# Altium PCB PCB1.PcbDoc (continued)
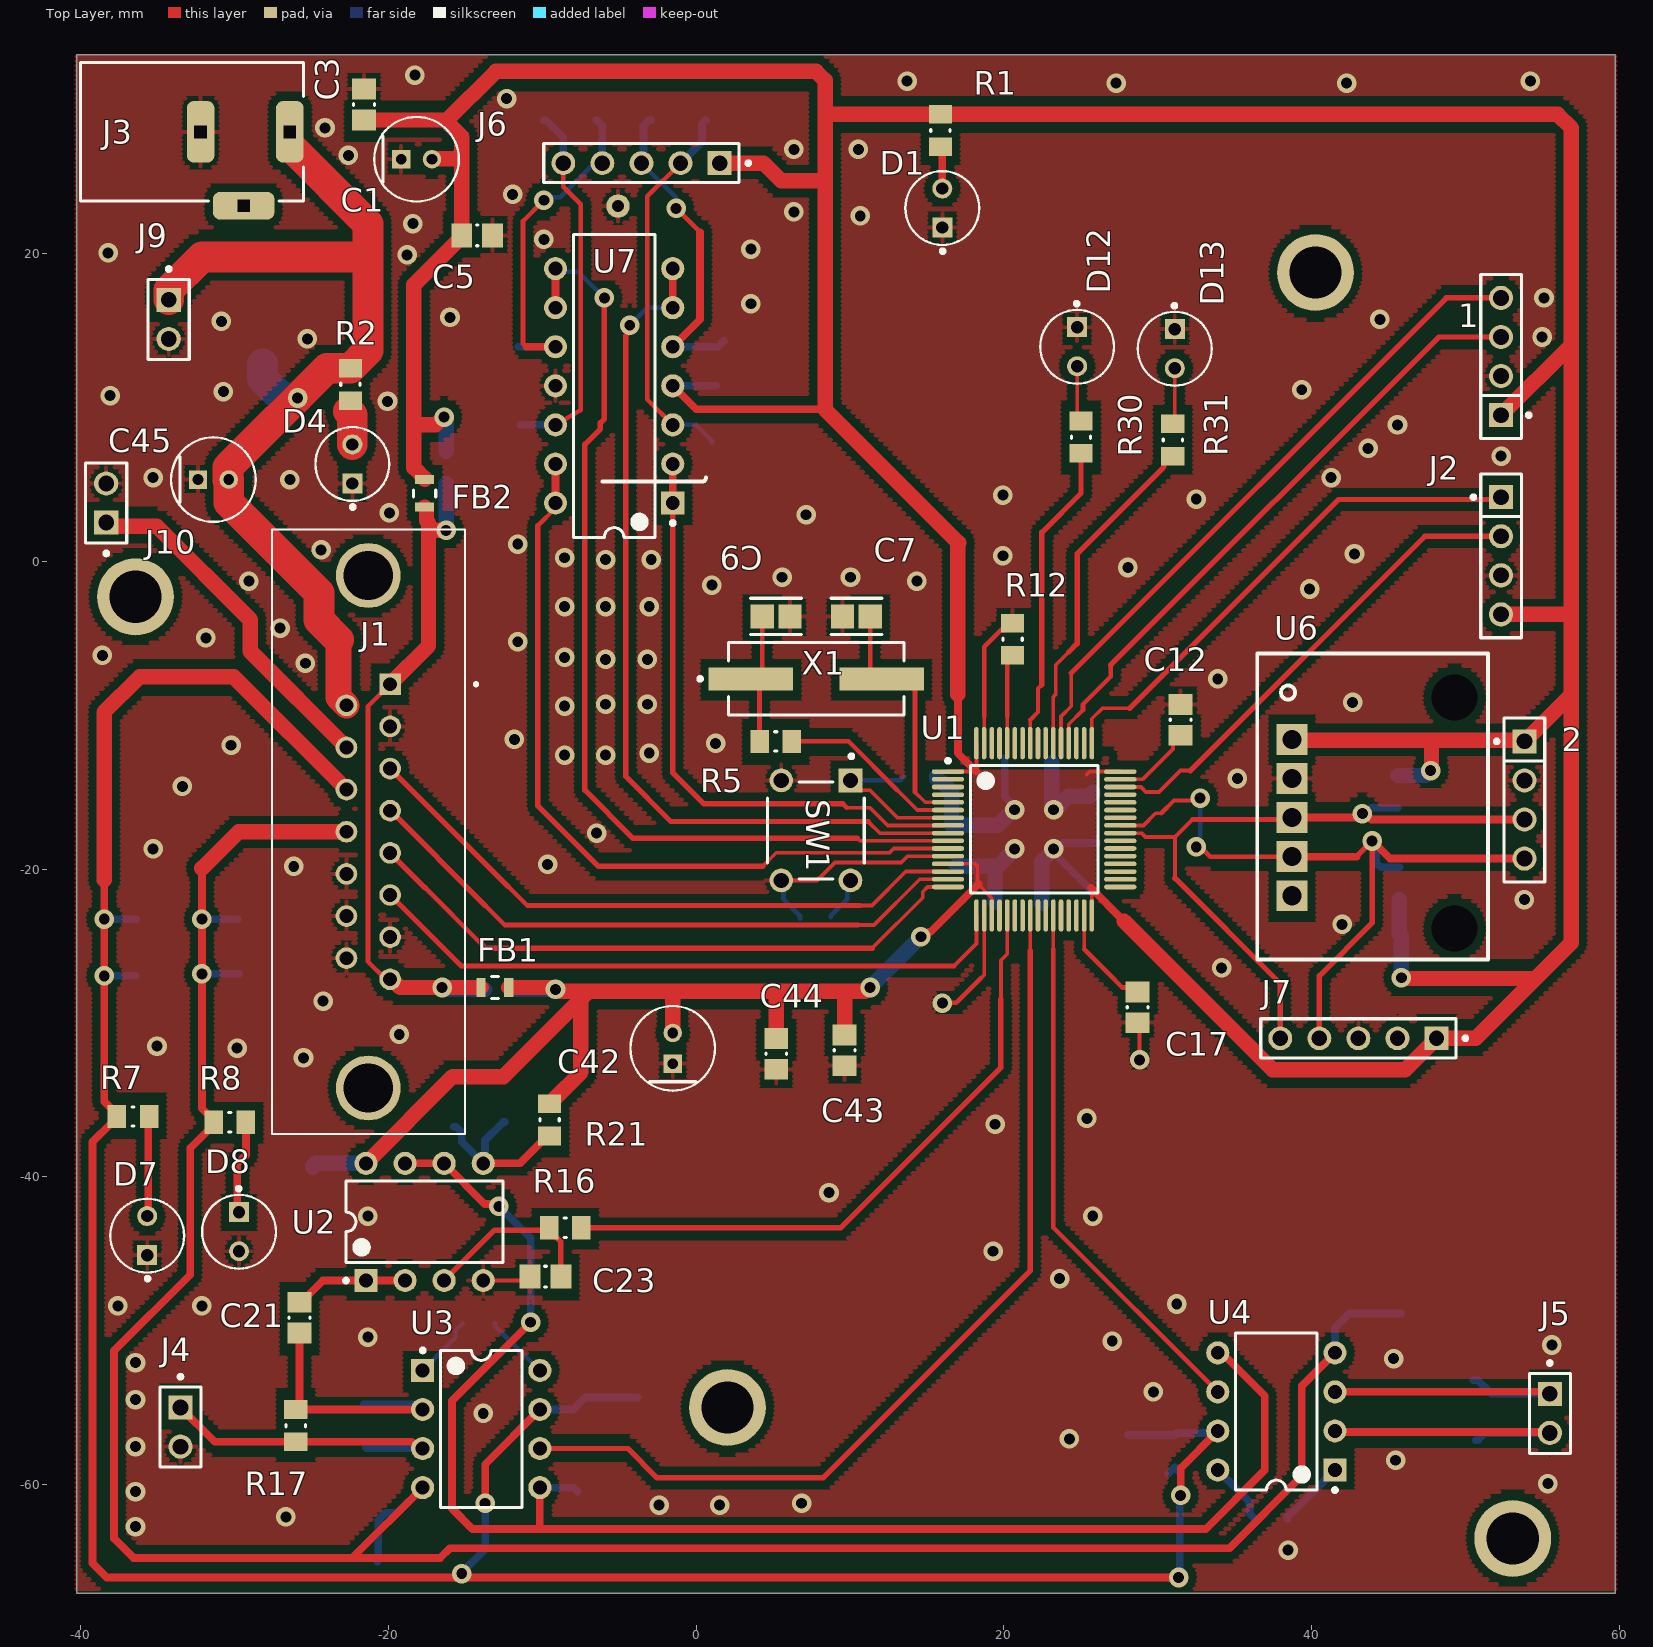
[diagram p0: Top Layer view]
## Footprints (in the part's own frame and the unit in brackets; to place one, negate y for a bottom-side part, rotate by r counter-clockwise, add the part's x,y. Pads: shape width x height; smd on the part's side, far side on the other; paste and mask are expansions set on the pad) (continued)
N0014A [mm] "DIP, 14-Leads, Body 19.7x6.6mm, Pitch 2.54mm"
  rect 1.5x1.5 hole 0.9: 1(-3.81,7.62)
  round 1.5 hole 0.9: 2(-3.81,5.08) 3(-3.81,2.54) 4(-3.81,0) 5(-3.81,-2.54) 6(-3.81,-5.08) 7(-3.81,-7.62) 8(3.81,-7.62) 9(3.81,-5.08) 10(3.81,-2.54) 11(3.81,0) 12(3.81,2.54) 13(3.81,5.08) 14(3.81,7.62)
  silkscreen extent -3.94,-9.85 2.65,9.85, body extent -3.95,-9.85 3.95,9.85, height 5.08
P0008A [mm] "DIP, 8-Leads, Body 10.15x6.6mm, Pitch 2.54mm"
  rect 1.5x1.5 hole 0.9: 1(-3.81,3.81)
  round 1.5 hole 0.9: 2(-3.81,1.27) 3(-3.81,-1.27) 4(-3.81,-3.81) 5(3.81,-3.81) 6(3.81,-1.27) 7(3.81,1.27) 8(3.81,3.81)
  silkscreen extent -3.93,-5.1 2.65,5.23, body extent -3.95,-5.07 3.95,5.07, height 5.08
PCBComponent_1 [mm]
  rect 2x2 hole 1.25: 1(2.714,-10.571) 2(5.254,-10.571) 3(7.794,-10.571) 4(10.334,-10.571) 5(12.874,-10.571)
  round 0 hole 3: 11(0,0) 11(15,0)
  silkscreen extent -2.87,-12.83 17.02,2.17
STM-LQFP64_M [mm] "Thin QFP, 64-Leads, Body 10x10mm, Pitch 0.5mm, IPC Low Density"
  oval 2.1x0.3 smd: 1(-5.6,3.75) 2(-5.6,3.25) 3(-5.6,2.75) 4(-5.6,2.25) 5(-5.6,1.75) 6(-5.6,1.25) 7(-5.6,0.75) 8(-5.6,0.25) 9(-5.6,-0.25) 10(-5.6,-0.75) 11(-5.6,-1.25) 12(-5.6,-1.75) 13(-5.6,-2.25) 14(-5.6,-2.75) 15(-5.6,-3.25) 16(-5.6,-3.75) 33(5.6,-3.75) 34(5.6,-3.25) 35(5.6,-2.75) 36(5.6,-2.25) 37(5.6,-1.75) 38(5.6,-1.25) 39(5.6,-0.75) 40(5.6,-0.25) 41(5.6,0.25) 42(5.6,0.75) 43(5.6,1.25) 44(5.6,1.75) 45(5.6,2.25) 46(5.6,2.75) 47(5.6,3.25) 48(5.6,3.75)
  oval 0.3x2.1 smd: 17(-3.75,-5.6) 18(-3.25,-5.6) 19(-2.75,-5.6) 20(-2.25,-5.6) 21(-1.75,-5.6) 22(-1.25,-5.6) 23(-0.75,-5.6) 24(-0.25,-5.6) 25(0.25,-5.6) 26(0.75,-5.6) 27(1.25,-5.6) 28(1.75,-5.6) 29(2.25,-5.6) 30(2.75,-5.6) 31(3.25,-5.6) 32(3.75,-5.6) 49(3.75,5.6) 50(3.25,5.6) 51(2.75,5.6) 52(2.25,5.6) 53(1.75,5.6) 54(1.25,5.6) 55(0.75,5.6) 56(0.25,5.6) 57(-0.25,5.6) 58(-0.75,5.6) 59(-1.25,5.6) 60(-1.75,5.6) 61(-2.25,5.6) 62(-2.75,5.6) 63(-3.25,5.6) 64(-3.75,5.6)
  silkscreen extent -5.72,-4.15 4.15,4.57, body extent -5,-5 5,5, height 1.6

## Part data
1 2 J2: library part CMP-00671-05399696-1, "M20-9990445 Conn Unshrouded Header HDR 4 POS 2.54mm Solder ST Thru-Hole Bulk/Loose", Case/Package=SIL, Color=Black, Contact Resistance=25mΩ, Current Rating=3A, Insulation Resistance=10GΩ, Max Operating Temperature=105°C, Min Operating Temperature=-40°C, Voltage Rating (AC)=750V, Connector Type="Male Pin", Contact Material="Brass, Bronze, Gold, Nickel", Contact Mating Length=6.096mm, Contact Plating=Gold, Depth=2.54mm, Gender=Male, Height=2.54mm, Housing Color=Black, Housing Material=Nylon, Lead Pitch=2.54mm, Length=10.16mm, Max Current Rating=3A, Mount="Through Hole", NexarPartId=5399696, Number of Contacts=4, Number of Pins=4, Number of Positions=4, Number of Rows=1, Orientation=Straight, Pitch=2.54mm, Radiation Hardening=No, REACH SVHC="No SVHC", RoHS=Compliant, Termination=Solder, Voltage Rating (DC)=750V, Weight=45.359237g, Width=12.7mm
C1 C42 C45: library part CMP-05427-000260-1, "Aluminum Electrolytic Capacitors (Radial Lead Type) AEC-Q200 Qualified 10uF ±20% 50V", Capacitance=10uF, Case/Package=Radial, Leakage Current=3uA, Max Operating Temperature=105°C, Min Operating Temperature=-55°C, Package Quantity=2000, Ripple Current=39mA, Tolerance=20%, Voltage Rating=50V, Construction=RADIAL, Contact Plating=Tin, Diameter=5mm, Height=11mm, Height - Seated (Max)=0.472inch, Lead Diameter=0.5mm, Lead Free="Lead Free", Lead Pitch=2.5mm, Lead/Base Style=Straight, Length=11mm, Life (Hours)=1000Hour, Mount="Through Hole", Packaging="Ammo Pack", Polarity=Polar, Radiation Hardening=No, RoHS Compliant=Yes, Series=NHG, Termination=Radial, Voltage Rating (DC)=50V
C2 C3 C4 C5 C6 C8 C10 C11 C12 C14 C15 C16 C17 C19 C21 C23 C24 C25 C27 C28 C29 C30 C31 C32 C33 C34 C35 C36 C37 C38 C39 C40 C41 C43 C44 C46: library part CMP-1036-04393-1, "CAP 100nF 10V ±5% 0805 (2012 Metric) Thickness 1mm SMD", Case-EIA=0805, Case-Metric=2012, Rated Voltage="10 V", Tolerance=Â±5%, Max Thickness="1 mm", Technology=SMT
C7 C9: library part CMP-06035-033407-1, "Chip Multilayer Ceramic Capacitors for General Purpose, 0805, 22pF, C0G, 30ppm/°C, 1%, 630V GRM21A5C2J220FWA1D"
C13 C18 C20: library part CMP-2007-04673-1, Manufacturer="AVX Interconnect / Elco", Part Number=0805ZC105KAT4A
D1 D4 D7 D8 D12 D13: library part CMP-22017-000040-1, "LED RED CLEAR T/H", Case/Package=T, Color=Red, Forward Current=30mA, Forward Voltage=2V, Max Operating Temperature=100°C, Max Power Dissipation=100mW, Min Operating Temperature=-55°C, Package Quantity=1000, Reverse Voltage=5V, Test Current=10mA, Depth=3.8mm, Diameter=3.1mm, Dominant Wavelength=625nm, Height=5.2mm, Illumination Color=Red, Lead Free="Lead Free", Length=3.8mm, Lens Color=Red, Lens Style=Dome, Lens Transparency=Clear, Luminous Intensity=19mcd, Mount="Through Hole", Number of Elements=1, Number of LEDs=1, Number of Pins=2, Packaging=Bulk, Power Dissipation=100mW, Radiation Hardening=No, RoHS Compliant=Yes, Series=-, Viewing Angle=45°, Wavelength=635nm, Width=3.8mm
FB1 FB2: library part CMP-0686-00622-4, "Chip Ferrite Bead, 0805, 22Ω @ 100MHz, 0.009Ω, 25%, 6A", Case Code (Imperial)=0805, Case Code (Metric)=2012, Current Rating=6A, DC Resistance (DCR)=9mR, Manufacturer Series=BLM21P, Max Operating Temperature=125°C, Min Operating Temperature=-55°C, Package Quantity=1, Resistance=10mR, Test Frequency=100MHz, Tolerance=25%, Case/Package=0805, Core Material=Ferrite, DC Current=6A, DC Resistance-Max=9mR, Depth=1.25mm, Height=0.85mm, Impedance=22R, Lead Free="Lead Free", Length=2mm, Material=Steel, Max Current Rating=6A, Max DC Current=6A, Number of Circuits=1, Number of Functions=1, Number of Lines=1, Number of Pins=2, Packaging="Tape and Reel", Radiation Hardening=No, REACH SVHC="No SVHC", RoHS Compliant=Yes, Series=BLM21P, Shielding=Unshielded, Terminal Finish=Tin, Termination=SMD/SMT, Weight=0.000194oz, Width=1.25mm
J1: "D-Subminiature Economy Range, Input Output Connectors, Signal 15 way Pin Straight, Solder, 50 cycles, Harpoons + Female Screw UNC 4 - 40 + Elec cont., 1.6 mm PCB thickness", Package=None, Check_prices=https://www.snapeda.com/parts/LD15P24A4GV00LF/Amphenol/view-part/?ref=eda, MF="AMPHENOL ICC / FCI", MP=LD15P24A4GV00LF, SnapEDA_Link=https://www.snapeda.com/parts/LD15P24A4GV00LF/Amphenol/view-part/?ref=snap
J3: library part CMP-1502-00188-3, "DC Power Jack Connector WR-DC, Male, Right Angled, THT, 5 A, 24 V", Color=Black, Current Rating=5A, Flammability Rating="UL94 V-0", Insulation Resistance=100MΩ, Max Operating Temperature=85°C, Min Operating Temperature=-40°C, Operating Supply Voltage=24V, Connector Type=Power, Contact Gender=Female, Contact Material="Gold, Tin", Contact Plating=Tin, Gender=Male, Height=11mm, Housing Material=Polyamide, Mount="Through Hole", Number of Contacts=3, Packaging=Bulk, REACH SVHC=Unknown, RoHS=Compliant, Shielding=Unshielded, Termination="Through Hole", Voltage Rating=24V
J4 J5 J9 J10: library part CMP-02766-001444-1, "CONN HEADER VERT 2POS 2.54MM", Contact Material=Bronze, Contact Plating=Tin, Gender=Male, Mount="Through Hole", Number of Contacts=2, Number of Rows=1, Packaging=Bulk, Pitch=2.54mm, Radiation Hardening=No, REACH SVHC="No SVHC", RoHS Compliant=Yes, Termination=Solder
J6 J7: library part CMP-00257-00655425-1, "90120-0125 2.54mm Pitch C-Grid III Header, Single Row, Vertical, 5 Circuits, Tin (Sn) Plating", Contact Resistance=20mΩ, Current Rating=3A, Housing Color=Black, Manufacturer Lifecycle Status=ACTIVE, Max Operating Temperature=125°C, Max Voltage Rating (DC)=350.35kV, Min Operating Temperature=-55°C, Voltage Rating=350V, Contact Gender=Male, Contact Material=Brass, Contact Plating=Tin, Country of Origin=SK, Gender=Male, Glow Wire Compliant=Non-compliant, Housing Material=Polyester, Lead Free="Lead Free", Lead Length=2.9mm, Lead Pitch=2.54mm, Lifecycle Status=Production, Mating Post Length=6.75mm, Mount="Through Hole", NexarPartId=655425, Number of Circuits=5, Number of Contacts=5, Number of Pins=5, Number of Positions=5, Number of Rows=1, Orientation=Vertical, Packaging=Bulk, Pitch=2.54mm, Plating=Tin, Radiation Hardening=No, REACH SVHC="No SVHC", RoHS=Compliant, Schedule B=8536694040, Termination=Solder, Voltage Rating (AC)=350V
R1 R2 R4 R5 R7 R8 R10 R12 R16 R17 R18 R19 R20 R21 R22 R23 R25 R26 R28 R29 R30 R31 R32 R33 R34 R35 R36: library part CMP-2001-04067-2, "RES Thick Film, 680Ω, 5%, 0.125W, 200ppm/°C, 0805", Case Code (Imperial)=0805, Case Code (Metric)=2012, Max Operating Temperature=155°C, Max Power Dissipation=125mW, Min Operating Temperature=-55°C, Package Quantity=1, Resistance=680R, Temperature Coefficient=200ppm/°C, Tolerance=5%, Voltage Rating=150V, Case/Package=0805, Composition="Thick Film", Contact Plating=Tin, Depth=1.25mm, Features="Automotive AEC-Q200", Height=0.45mm, Lead Free="Lead Free", Length=2mm, Military Standard=Not, Number of Pins=2, Number of Terminations=2, Packaging="Tape and Reel", Power Rating=125mW, Radiation Hardening=No, Termination=SMD/SMT, Voltage Rating (DC)=150V, Weight=0.000194oz, Width=1.25mm
SW1: library part CMP-03402-000004-1, "SWITCH TACTILE SPST-NO 0.05A 24V", Contact Current Rating=50mA, Contact Resistance=100mΩ, Manufacturer="TE Connectivity", Operating Force=160gf, Temperature="-35°C to +85°C", Temperature Range High=+85°C, Temperature Range Low=-35°C, Voltage Rating Dc=24V, Automotive=No, Category=Switch, ComponentLink2Description=Datasheet, ComponentLink2URL=https://www.te.com/commerce/DocumentDelivery/DDEController?Action=showdoc&DocId=Customer+Drawing%7F1825910%7FC10%7Fpdf%7FEnglish%7FENG_CD_1825910_C10.pdf%7F2-1825910-7, Device Class L1=Electromechanical, Device Class L2=Switches, Device Class L3="Pushbutton Switches", Digikey Description="SWITCH TACTILE SPST-NO 0.05A 24V", Electromechanical Life=100000Cycles, Height=13.3mm, Lead Free=Yes, Manufacturer Part Number=2-1825910-7, Mount="Through Hole", Mouser Description="Switch Tactile OFF (ON) SPST Extended Round Button PC Pins 0.05A 24VDC 100000Cycles 1.57N Thru-Hole Loose", Octopart=https://octopart.com/2-1825910-7-te+connectivity-42270510, Package=2-1825910-7, RoHS=TRUE, Throw Configuration=SPST-NO
U1: library part CMP-0243-00019-3, "ARM Cortex-M4 32-bit MCU+FPU, 210 DMIPS, 1024 kB Flash, 192 kB Internal RAM, 51 I/Os, 64-pin LQFP, -40 to 85 degC, Tray", I/Os (High Current)=51, Manufacturer=STMicroelectronics, Operating Frequency(F) (Processor speed) (MHz)=168, Supply Voltage(Vcc) max (V)=3.6, Supply Voltage(Vcc) min (V)=1.8, ComponentLink1Description="Manufacturer URL", ComponentLink1URL=http://www.st.com/web/en/home.html, ComponentLink2Description=Datasheet, ComponentLink2URL=http://www.st.com/st-web-ui/static/active/en/resource/technical/document/datasheet/DM00037051.pdf, ComponentLink3Description="Package Specification", ComponentLink3URL=http://www.st.com/st-web-ui/static/active/en/resource/technical/document/datasheet/DM00037051.pdf, Core="ARM Cortex-M4", D/A Converter=2x12-bit, DatasheetVersion="Rev. 4", FLASH Size (Prog) (kB)=1024, Internal RAM Size (kB)=192, Mounting Technology="Surface Mount", PackageDescription="64-Pin Low Profile Quad Flat Package, 10 x 10 mm Body, 0.5 mm Pitch", PackageReference=LQFP64, PackageVersion="Rev. 4, 06/2013", Packing=Tray, PartNumber=STM32F405RGT6
U2: library part CMP-0272-02468-3, "550 uA/Ch, 3 MHz, Rail-to-Rail Output Operational Amplifier, 2.7 to 16 V, -40 to 125 degC, 8-pin DIP (P8), Pb-Free (RoHS)", Manufacturer="Texas Instruments", Rating=Catalog, Total Supply Voltage(Max)(+5V is 5, +/-5V is 10)=16, Total Supply Voltage(Min)(+5V is 5, +/-5V is 10)=2.7, CMRR(Min)(dB)=58, Code_JEDEC=MS-001, ComponentLink1Description="Manufacturer URL", ComponentLink1URL=http://www.ti.com/, ComponentLink2Description=Datasheet, ComponentLink2URL=http://www.ti.com/lit/ds/symlink/tlv272.pdf, ComponentLink3Description="Package Specification", ComponentLink3URL=http://www.ti.com/litv/pdf/mpdi001b, DatasheetVersion=SLOS351D, Eco-Plan="Pb-Free (RoHS)", GBW(Typ)(MHz)=2.4, IIB(Max)(pA)=60, Iq per channel(Max)(mA)=0.56, Mounting Technology="Through Hole", Number Of Channels=2, Offset Drift(Typ)(uV/C)=2, PackageDescription="8-Pin Plastic In-Line, Body 9.59 x 6.35 mm, Pitch 2.54 mm", PackageReference=P0008A, PackageVersion="4040082/E, 04/2010", Packing=TUBE, PartNumber=TLV272IP, Slew Rate(Typ)(V/us)=2.1, Sub Family="Low Supply Voltage Amplifier (<=2.7V), Precision Amplifier", Vio (25C)(Max)(mV)=5
U3 U4: library part CMP-0992-00137-2, "Precision, Low Power Instrumentation Amplifier, -40 to 125 degC, 8-pin DIP (P8), Green (RoHS & no Sb/Br)", Input Bias Current (+/-)(Max)(nA)=5, Manufacturer="Texas Instruments", Quiescent Current (+/-)(Typ)(mA)=0.7, CMRR(Min)(dB)=120, Code_JEDEC=MS-001, ComponentLink1Description="Manufacturer URL", ComponentLink1URL=http://www.ti.com/, ComponentLink2Description=Datasheet, ComponentLink2URL=http://www.ti.com/general/docs/lit/getliterature.tsp?genericPartNumber=INA129&fileType=pdf, ComponentLink3Description="Package Specification", ComponentLink3URL=http://www.ti.com/litv/pdf/mpdi001b, DatasheetVersion=SBOS051B, Eco-Plan="Green (RoHS & no Sb/Br)", Gain(V/V)="1 to 10000", Input Offset (+/-)(Max)(uV)=50, Input Offset Drift (+/-)(Max)(uV/Degrees Celsius)=0.5, Mounting Technology="Through Hole", Noise at 1kHz(Typ)(nV/rt(Hz))=8, Non-Linearity (+/-)(Max)(%)=0.002, Number Of Channels=1, Output Offset (+/-)(Max)(uV)=500/G, Output Offset Drift (+/-)(Max)(uV/Degrees Celsius)=20/G, PackageDescription="8-Pin Plastic In-Line, Body 9.59 x 6.35 mm, Pitch 2.54 mm", PackageReference=P0008A, PackageVersion="4040082/E, 04/2010", PartNumber=INA129P, SubFamily="Dual Supply", Vs(Max)(V)=36, Vs(Min)(V)=4.5
U6: "6 axis IMU"
U7: library part CMP-0055-00084-3, "Low Power Quad Operational Amplifier, 14-pin MDIP", Manufacturer="Texas Instruments", Package Reference=N0014A, PackageTopMarking=NSUZXYYTTE#*LM324AN, PowerWise=N, Code_JEDEC=MS-001-AA, ComponentLink1Description="Datasheet URL", ComponentLink1URL=http://www.ti.com/general/docs/lit/getliterature.tsp?genericPartNumber=LM324A&fileType=pdf, CompType=Amplifiers, PackageDescription="MDIP, .750 x .250 x.130in, 14 Lead, .100in Pitch", PinCount=14, RoHS=N
X1: library part CMP-1215-00001-1, "At-Cut Crystal Unit, 3.5 to 30 MHz, -40 to 85 degC, 2-Pin 11.4Ã—4.7Ã—4.3 mm SMD, RoHS, Reel", Manufacturer="Citizen Finetech Miyota", Operating Temperature="-40 to 85 degC", C0="7 pF Max.", ComponentLink1Description="Manufacturer URL", ComponentLink1URL=http://cfm.citizen.co.jp/english/index.html, ComponentLink2Description=Datasheet, ComponentLink2URL=http://cfm.citizen.co.jp/english/product/pdf/HCM49.pdf, ComponentLink3Description="Package Specification", ComponentLink3URL=http://cfm.citizen.co.jp/english/product/pdf/HCM49.pdf, DatasheetVersion=Jan-12, DL="100 uW", f0="3.5 to 30 MHz", IR="500 MOhm Min.", Mounting Technology="Surface Mount", PackageDescription="2-Pin Surface Mount, Body 11.4 x 4.7 mm, Pitch 8.5 mm", Packing=Reel, PartNumber=HCM49-8.000MABJ-UT, R1="50 to 200 Ohm", RoHS=TRUE

## Free pads (board coordinates)
  round 5 hole 3.4: 23(-36.449,-2.286) 23(2.032,-54.991) 23(40.259,18.796) 23(53.086,-63.5)
  round 1.524 hole 0.762: 91(-5.08,23.114)

## Via types
v1: diameter 1.27, hole 0.711, Top Layer to Bottom Layer, 151 vias

## Nets (pads, with @x,y where several pads share a name; then routed paths per layer and width w, separated by ;. In a path a pad name is that pad's centre, name@x,y a point inside that pad or via, vN(x,y) a via of type N, cw(c..) or ccw(c..) an arc to the next point about the centre after c; other vN are vias at no path point)
+1.65V: C30.2 U2.6 U2.7 U3.5 U4.5 | length 99.1
  Top Layer w0.5: U2.7 U2.6 -13.736,-41.763 -12.974,-41.763 v1(-12.827,-41.91) ; v1(-10.762,-49.448) -15.875,-54.561 -15.875,-61.556 -14.539,-62.892 -10.16,-62.892 ; U3.5 -10.16,-62.892 ; U4.5 34.163,-51.435 36.957,-54.229 36.957,-59.055 33.12,-62.892 -10.16,-62.892
  Bottom Layer w0.5: v1(-12.827,-41.91) -10.762,-43.975 v1(-10.762,-49.448) ; U3.5 -7.969,-60.198 C30.2
+3V3: 1.1 2.1 C1.2 C3.2 C5.2 C10.2 C11.2 C13.2 C14.2 C15.2 C16.2 C18.2 C19.2 C20.2 C27.2 C40.2 C42.2 C43.2 C44.2 FB1.2 FB2.2 J2.4 J6.1 J7.1 R1.2 R4.1 R10.2 R21.2 R28.2 R29.2 R36.1 U1.1 U1.13 U1.19 U1.32 U1.48 U1.64 U2.8 U6.1 U7.4 | length 446.9
  Top Layer w0.24: U1.13@16.321,-19.649 18.147,-19.649 18.288,-19.79 18.288,-20.93 18.336,-20.978 19.221,-21.863 U1.19 ; U1.1@16.321,-13.649 18.221,-13.649 U1.64 ; 25.4,-13.843 25.594,-13.649 U1.48 ; 25.654,-21.209 25.721,-21.276 U1.32
  Top Layer w0.3: 17.018,1.174 17.066,1.222
  Top Layer w0.5: U7.4 0,9.906 8.382,9.906 ; v1(14.605,-24.384) 14.813,-24.384 15.13,-24.067 15.247,-24.067 18.336,-20.978 18.359,-20.955 ; 17.018,-8.636 17.018,-12.446 18.221,-13.649 ; 25.654,-21.209 27.813,-23.368
  Top Layer w1: C3.2 -21.582,28.71 -16.264,28.71 -16.256,28.702 -16.256,28.648 ; U2.8 -15.827,-33.48 -12.525,-33.48 -7.493,-28.448 ; FB2.2 -17.653,5.42 -18.349,6.116 -18.349,8.89 ; C1.2 -17.139,26.2 -15.583,26.2 -15.24,26.543 ; v1(-16.383,9.398) -16.427,9.398 -16.935,8.89 -18.349,8.89 ; FB1.2 -9.344,-27.686 -9.217,-27.813 v1(-9.144,-27.813) -9.092,-27.865 -8.901,-27.865 -8.826,-27.94 -6.985,-27.94 ; R21.2 -9.374,-35.236 -9.271,-35.133 -9.271,-34.982 -7.493,-33.204 -7.493,-28.448 ; C42.2 -1.524,-28.062 -1.646,-27.94 ; J6.1 4.381,25.908 5.524,24.765 8.382,24.765 ; C44.2 5.207,-27.94 ; C43.2 9.652,-28.067 9.779,-27.94 ; v1(11.303,-27.686) 11.23,-27.686 10.976,-27.94 9.779,-27.94 ; 17.018,-8.636 17.018,1.174 ; 17.066,1.222 8.382,9.906 8.382,24.765 ; 27.813,-23.368 37.465,-33.02 46.101,-33.02 J7.1 50.673,-30.988 54.558,-27.103 ; U6.1 38.799,-11.62 47.879,-11.62 ; v1(45.847,-27.051) 45.899,-27.103 54.558,-27.103 ; v1(47.752,-13.589) 47.804,-13.537 47.804,-11.696 47.879,-11.62 ; J2.4 56.769,-3.429 56.896,-3.556 ; 1.1 56.896,14.097 ; -18.349,8.89 -18.349,18 -15.24,21.109 C5.2 -15.24,26.543 ; -16.256,28.648 -13.027,31.877 7.796,31.877 8.382,31.291 8.382,29.083 ; -16.256,28.648 -15.24,27.632 -15.24,26.543 ; -7.493,-28.448 -6.985,-27.94 ; -6.985,-27.94 -6.467,-27.94 -1.646,-27.94 ; -1.646,-27.94 5.207,-27.94 ; 5.207,-27.94 9.779,-27.94 ; 8.382,24.765 8.382,29.083 ; 8.382,29.083 R1.2 56.007,29.083 56.896,28.194 56.896,14.097 ; 47.879,-11.62 53.784,-11.62 2.1 56.896,-8.636 ; 54.558,-27.103 56.896,-24.765 56.896,-8.636 ; 56.896,-8.636 56.896,-3.556 ; 56.896,-3.556 56.896,14.097
  Bottom Layer w0.5: U7.4 C40.2 ; C13.2 20.066,-15.286 20.701,-15.921 v1(20.701,-16.129) ; v1(23.241,-18.669) 23.388,-18.816 23.388,-19.065 25.686,-21.363 C10.2 ; v1@23.449,-18.669 23.83,-18.288 C11.2
  Bottom Layer w1: C27.2 -24.924,-39.291 -24.749,-39.116 U2.8 ; v1(-16.383,9.398) -16.383,9.325 -16.256,9.198 R36.1 ; R4.1 v1(-9.144,-27.813) ; v1(11.303,-27.686) v1@14.553,-24.436 ; R10.2 15.621,-14.121 15.884,-14.384 16.035,-14.384 16.621,-14.97 C19.2 19.612,-17.145 20.628,-16.129 v1(20.701,-16.129) ; C18.2 19.485,-19.812 ; C20.2 19.431,-19.999 20.701,-18.729 v1(20.701,-18.669) ; C16.2 22.479,-19.504 23.241,-18.742 v1(23.241,-18.669) ; C15.2 23.114,-15.929 23.241,-16.056 v1(23.241,-16.129) 23.314,-16.129 24.182,-15.261 25.606,-15.261 25.781,-15.086 C14.2 ; R28.2 47.441,-13.9 v1(47.752,-13.589) ; R29.2 45.72,-24.184 45.847,-24.311 v1(45.847,-27.051)
+3V3_RAW: FB1.1 FB2.1 J1.1 J1.8 R4.2 R36.2 | length 46.3
  Top Layer w0.3: J1.8 -20.193,-27.151 -21.336,-26.008 -21.336,-9.924 -21.333,-9.921 -21.333,-9.411 J1.1
  Top Layer w1: J1.8 -19.783,-27.151 -19.248,-27.686 v1(-16.51,-27.686) FB1.1 ; J1.1 -17.399,-5.477 -17.399,2.032 ; FB2.1 -17.528,3.42 -17.528,2.669 -17.399,2.54 -17.399,2.032 ; v1(-16.256,2.032) -17.399,2.032
  Bottom Layer w1: v1(-16.51,-27.686) -16.437,-27.686 -16.31,-27.813 R4.2 ; v1(-16.256,2.032) R36.2
+5V: C45.2 C46.2 J1.9 J3.1 J9.1 R2.2 | length 64.4
  Top Layer w1.7: -23.241,-5.08 -23.241,-8.833 J1.9
  Top Layer w2: J9.1 -34.29,17.653 -32.131,19.812 -21.336,19.812 ; C45.2@-30.432,5.286 -30.432,6.144 -24.003,12.573 R2.2 -21.336,13.716 -21.336,19.812 ; C45.2 -30.385,3.842 -24.521,-2.022 -24.521,-3.8 -23.241,-5.08 ; J3.1@-26.316,26.94 -21.336,21.96 -21.336,19.812
  Bottom Layer w2: C46.2 -28.194,11.911 -26.922,10.639 v1(-25.913,10.639)
+15V: C4.2 C6.2 C32.2 C33.2 C34.2 C35.2 J1.11 R7.2 U3.7 U4.7 | length 187.6
  Top Layer w0.5: -38.481,-20.696 v1(-38.481,-23.241) v1(-38.481,-26.924) -38.481,-35.098 -37.662,-35.917 R7.2 -37.662,-36.219 -38.015,-36.572 -38.096,-36.572 -39.243,-37.719 -39.243,-65.112 -38.315,-66.04 -16.002,-66.04 v1@-15.605,-66.04 ; v1(-15.24,-65.786) -15.351,-65.786 v1@-15.605,-66.04 ; v1(-13.716,-61.214) -13.716,-58.674 U3.7 ; v1(31.369,-66.04) v1@-15.605,-66.04 ; v1(31.496,-60.706) 31.496,-58.928 U4.7
  Top Layer w1: -38.481,-20.696 -38.481,-9.784 -36.19,-7.493 -30.061,-7.493 J1.11
  Bottom Layer w0.5: v1(-38.481,-26.924) C4.2 ; v1(-38.481,-23.241) C6.2 ; v1(-15.24,-65.786) -15.24,-65.718 -13.716,-64.194 v1(-13.716,-61.214) ; U3.7 -7.99,-55.118 -7.212,-54.34 C33.2 C35.2 ; C34.2 28.075,-56.777 31.107,-56.777 C32.2 31.242,-56.642 33.782,-56.642 U4.7 ; v1(31.369,-66.04) 31.432,-65.977 31.432,-60.77 v1(31.496,-60.706)
-15V: C2.2 C24.2 C25.2 C28.2 C29.2 C41.2 J1.12 R8.2 U3.4 U4.4 | length 169.8
  Top Layer w0.5: -32.131,-19.939 v1(-32.131,-23.241) v1(-32.131,-26.797) -32.131,-35.536 -31.369,-36.298 R8.2 -31.369,-36.6 -32.893,-38.124 -32.893,-46.355 -37.846,-51.308 -37.846,-63.5 -36.576,-64.77 -22.352,-64.77 ; U3.4 -22.352,-64.77 ; U4.4 39.37,-53.594 39.37,-59.436 34.671,-64.135 -16.002,-64.135 -16.637,-64.77 -22.352,-64.77
  Top Layer w1: -32.131,-19.939 -29.753,-17.561 J1.12
  Bottom Layer w0.5: v1(-32.131,-26.797) C2.2 ; v1(-32.131,-23.241) C41.2 ; C25.2 -20.669,-64.96 -20.669,-62.321 -20.181,-61.832 -19.414,-61.832 U3.4 ; U4.4 41.529,-49.795 42.445,-48.879 C28.2 C24.2
ADC1_EXTI11: 1.3 U1.52 | length 40.4
  Top Layer w0.24: U1.52@24.221,-11.749 24.221,-10.577 25.146,-9.652
  Top Layer w0.3: 25.146,-9.652 25.146,-9.271 26.95,-7.467 26.95,-6.731
  Top Layer w0.35: 26.95,-6.731 48.286,14.605 1.3
ADC1_IN9: U1.27 U4.6 | length 35.4
  Top Layer w0.24: 23.221,-25.166 U1.27@23.221,-23.049
  Top Layer w0.3: 23.221,-25.166 23.221,-43.287 U4.6
ADC1_IN10: U1.8 U7.1 U7.2 | length 39.3
  Top Layer w0.24: 9.779,-16.002 11.303,-16.002 12.45,-17.149 U1.8@16.321,-17.149
  Top Layer w0.3: 9.525,-15.748 9.779,-16.002
  Top Layer w0.35: U7.1 -1.524,-13.716 0.508,-15.748 9.525,-15.748
  Top Layer w0.5: U7.1 U7.2
ADC1_IN11: U1.9 U7.6 U7.7 | length 57.7
  Top Layer w0.24: 11.176,-16.891 11.934,-17.649 U1.9@16.321,-17.649
  Top Layer w0.35: v1(-4.318,15.367) -4.494,15.191 -4.494,14.78 -4.572,14.702 -4.572,-13.97 -1.651,-16.891 11.176,-16.891
  Top Layer w0.5: U7.6 U7.7
  Bottom Layer w0.3: v1(-4.318,15.367) -3.175,16.51 U7.6
ADC1_IN12: U1.10 U7.8 U7.9 | length 64
  Top Layer w0.24: 10.477,-17.97 10.656,-18.149 U1.10
  Top Layer w0.35: v1(-5.969,17.145) -5.969,9.271 -6.223,9.017 -6.223,8.636 -7.239,7.62 -7.239,-14.859 -4.127,-17.97 10.477,-17.97
  Top Layer w0.5: U7.9 U7.8
  Bottom Layer w0.3: U7.8 -8.952,18.858 -7.682,18.858 v1(-5.969,17.145)
ADC1_IN13: U1.11 U7.13 U7.14 | length 51.5
  Top Layer w0.24: 5.207,-18.923 12.573,-18.923 12.847,-18.649 U1.11
  Top Layer w0.25: 4.318,-19.812 5.207,-18.923
  Top Layer w0.3: -10.287,2.342 -9.144,3.485 U7.14
  Top Layer w0.35: -10.287,2.342 -10.287,-15.875 -6.35,-19.812 4.318,-19.812
  Top Layer w0.5: U7.14 U7.13
ADC1_IN14: U1.24 U3.6 | length 61.3
  Top Layer w0.24: 21.721,-25.277 U1.24@21.721,-23.049
  Top Layer w0.35: U3.6 -4.445,-57.658 -2.54,-59.563 8.255,-59.563 21.721,-46.097 21.721,-25.277
BOOST0: R12.2 U1.60 | length 5.8
  Top Layer w0.24: U1.60 20.221,-10.061
  Top Layer w0.27: 20.221,-10.061 20.221,-6.449 R12.2
GND: 1.2 2.2 C1.1 C2.1 C3.1 C4.1 C5.1 C6.1 C7.2 C8.1 C9.2 C10.1 C11.1 C12.1 C13.1 C14.1 C15.1 C16.1 C17.1 C18.1 C19.1 C20.1 C23.1 C24.1 C25.1 C27.1 C28.1 C29.1 C30.1 C31.1 C32.1 C33.1 C34.1 C35.1 C36.1 C37.1 C38.1 C39.1 C40.1 C41.1 C42.1 C43.1 C44.1 C45.1 C46.1 D1.1 D4.1 D7.1 D8.2 D12.1 D13.1 J1.2 J1.7 J1.13 J1.14 J1.15 J2.3 J3.2 J4.2 J7.3 J9.2 J10.2 pad.91 R12.1 R18.2 R19.2 R22.2 R23.2 R26.1 R32.1 R33.1 R34.1 R35.1 SW1.3 SW1.4 U1.12 U1.18 U1.63 U2.4 U6.2 U7.11 | length 37.5
  Top Layer w0.24: 13.744,-19.149 U1.12 ; 18.542,-27.051 18.721,-26.872 U1.18 ; U1.63 18.721,-10.085
  Top Layer w0.25: U2.4 -11.049,-46.736 C23.1 ; SW1.4 7.865,-20.724 9.031,-19.558 13.335,-19.558 13.744,-19.149 ; C17.1 28.829,-30.099 v1(28.829,-32.385)
  Top Layer w0.3: v1(16.002,-28.702) 16.022,-28.682 16.911,-28.682 18.542,-27.051 ; 18.721,-10.085 18.721,-5.536 19.809,-4.448 20.121,-4.448 R12.1 ; C12.1 C12.1@31.596,-9.287
  Top Layer w0.5: C7.2@9.842,-3.465 C7.2@9.989,-3.465
  Bottom Layer w0.3: SW1.4 5.677,-20.868 5.677,-21.944 6.747,-23.014 C8.1@6.747,-23.214
  Bottom Layer w0.5: C32.1@30.694,-59.293 31.115,-58.872 C32.1@31.465,-59.222
  other v1: 38.481,-64.262 -36.449,-62.738 -26.67,-62.103 -2.413,-61.341 1.524,-61.341 6.858,-61.214 -36.449,-60.452 55.372,-59.944 45.466,-58.42 -36.449,-57.531 24.257,-57.023 -13.843,-55.372 -36.449,-54.483 29.718,-53.975 -36.449,-52.07 45.339,-51.816 55.626,-50.927 27.051,-50.673 -21.336,-50.419 -37.592,-48.387 -32.131,-48.387 31.242,-48.26 23.622,-46.609 19.304,-44.831 -21.336,-42.545 25.781,-42.545 8.636,-41.021 19.431,-36.576 25.4,-36.195 -25.527,-32.258 -29.845,-31.623 -35.052,-31.496 -19.304,-30.734 -24.257,-28.575 34.163,-26.416 42,-23.585 53.848,-21.971 -26.162,-19.812 -9.652,-19.685 -35.306,-18.669 -6.477,-17.653 -33.401,-14.605 35.179,-14.097 -8.549,-12.573 -5.882,-12.573 -3.048,-12.446 -30.226,-11.938 1.27,-11.811 -11.811,-11.557 -8.549,-9.398 -5.882,-9.271 -3.175,-9.271 42.672,-9.144 33.909,-7.62 -25.4,-6.604 -5.882,-6.35 -3.175,-6.35 -8.549,-6.223 -38.608,-6.096 -11.597,-5.207 -31.877,-4.953 -27.051,-4.318 -8.549,-2.921 -5.882,-2.921 -3.048,-2.921 39.878,-1.778 1.016,-1.524 -29.083,-1.27 14.351,-1.27 5.588,-1.016 10.033,-1.016 28.067,-0.381 -5.882,0.127 -2.921,0.127 -8.549,0.254 19.939,0.381 42.799,0.508 -24.384,0.762 -11.597,1.143 7.147,3.048 -19.939,3.175 32.512,4.064 19.939,4.318 -26.416,5.334 -35.306,5.461 41.275,5.461 52.324,6.858 43.688,7.366 45.593,8.89 -20.066,10.414 -38.1,10.795 -30.734,11.049 39.37,11.176 -25.273,14.478 54.991,14.605 -30.861,15.621 44.45,15.748 -16.002,15.875 3.556,16.764 55.118,17.145 -18.796,19.939 -38.227,20.066 3.556,20.32 -9.906,20.955 -18.415,21.971 10.668,22.479 6.35,22.733 -11.938,23.876 -22.606,26.416 6.35,26.797 10.541,26.797 -24.13,28.194 -12.319,30.099 27.305,31.115 42.291,31.115 13.716,31.242 54.229,31.242 -18.288,31.623
GPIO_PA0: J1.3 U1.14 | length 40.8
  Top Layer w0.24: 10.668,-22.352 11.43,-22.352 13.633,-20.149 U1.14@16.321,-20.149
  Top Layer w0.3: -12.227,-21.117 -10.992,-22.352 10.668,-22.352
  Top Layer w0.35: J1.3 -12.227,-21.117
GPIO_PA1: J1.4 U1.15 | length 40.5
  Top Layer w0.24: 10.541,-23.622 11.557,-23.622 14.53,-20.649 U1.15@16.321,-20.649
  Top Layer w0.3: -13.716,-22.352 -12.446,-23.622 10.541,-23.622
  Top Layer w0.35: J1.4@-19.877,-16.191 -13.716,-22.352
GPIO_PB5: R30.2 U1.57 | length 20.2
  Top Layer w0.24: U1.57@21.721,-11.749 21.721,-10.283
  Top Layer w0.27: 21.721,-10.283 22.225,-9.779
  Top Layer w0.275: 22.225,-9.779 22.225,-8.255 22.479,-8.001
  Top Layer w0.35: 22.479,-8.001 22.479,1.905 25.019,4.445 R30.2
GPIO_PC12: 1.4 U1.53 | length 42.8
  Top Layer w0.24: U1.53@23.721,-11.749 23.721,-10.061 24.384,-9.398 24.384,-7.239
  Top Layer w0.35: 24.384,-7.239 48.768,17.145 1.4
GPIO_PD2: R31.2 U1.54 | length 22
  Top Layer w0.24: U1.54 23.221,-10.692 23.224,-10.689 23.224,-8.78 23.368,-8.636 23.368,-6.731 24.221,-5.878
  Top Layer w0.35: 24.221,-5.878 24.765,-5.334 24.765,0.508 30.409,6.152 30.409,6.43 30.837,6.858 R31.2
I2C3_SCL: 2.4 J7.4 R29.1 U1.41 U6.4 | length 49.3
  Top Layer w0.24: U1.41@27.621,-17.149 29.079,-17.149
  Top Layer w0.25: 29.079,-17.149 29.873,-16.355 30.239,-16.355
  Top Layer w0.275: 30.239,-16.355 31.068,-15.526 32.607,-15.526 v1(32.766,-15.367)
  Top Layer w0.3: v1(32.512,-18.542) 32.774,-18.542 33.409,-19.177 U6.4
  Top Layer w0.35: J7.4 40.513,-26.924 43.942,-23.495 v1(43.942,-18.161) 43.871,-18.232 43.774,-18.329 42.926,-19.177
  Top Layer w0.5: U6.4 42.926,-19.177 ; v1(43.942,-18.161) 43.942,-18.497 44.039,-18.399 44.207,-18.399 45.111,-19.304 2.4
  Bottom Layer w0.3: v1(32.512,-18.542) 32.698,-18.356 32.698,-17.95 32.766,-17.881 v1(32.766,-15.367)
  Bottom Layer w0.5: v1(43.942,-18.161) 43.942,-18.369 44.197,-18.624 44.197,-19.571 44.495,-19.869 R29.1
I2C3_SDA: 2.3 J7.5 R28.1 U1.40 U6.3 | length 45.5
  Top Layer w0.24: U1.40 28.952,-17.649 29.21,-17.907 31.124,-17.907
  Top Layer w0.275: 31.115,-20.574 31.124,-20.565 31.124,-17.907 32.267,-16.764
  Top Layer w0.3: 32.267,-16.764 38.608,-16.764 U6.3
  Top Layer w0.35: 31.115,-20.574 37.973,-27.432 J7.5
  Top Layer w0.5: U6.3 42.845,-16.637 43.099,-16.383 v1(43.307,-16.383) 43.515,-16.383 43.896,-16.764 2.3
  Bottom Layer w0.5: v1(43.307,-16.383) 43.515,-16.383 43.896,-16.002 R28.1
NetC8_2: C8.2 SW1.2 | length 2.9
  Bottom Layer w0.3: C8.2 8.747,-23.014 9.817,-21.944 9.817,-20.94 SW1.2
NetC9_1: C9.1 R5.1 X1.1 | length 8.1
  Top Layer w0.3: R5.1 X1.1@4.121,-8.12 ; X1.1@4.295,-7.12 C9.1
  Top Layer w0.5: X1.1 3.795,-7.62 X1.1@4.295,-7.12
NetC21_2: C21.2 U2.1 U2.2 | length 7.4
  Top Layer w0.5: C21.2 -25.681,-48.149 -24.268,-46.736 U2.1 U2.2
NetC23_2: C23.2 R16.2 U2.3 | length 11.6
  Top Layer w0.35: U2.3 -13.105,-43.458 -9.711,-43.458 R16.2 ; R16.2@-9.56,-43.458 -8.795,-44.223 C23.2
NetC31_2: C31.2 R21.1 R26.2 U2.5 | length 11.6
  Top Layer w0.5: U2.5 -11.454,-39.116 -9.676,-37.338 R21.1
  Bottom Layer w0.5: R26.2 -15.597,-36.738 -15.244,-37.091 -15.244,-37.715 U2.5 -13.729,-39.002 -13.729,-37.616 -12.546,-36.433 C31.2
NetD1_2: D1.2 R1.1 | length 2.8
  Top Layer w0.5: R1.1 16.002,26.854 D1.2
NetD4_2: D4.2 R2.1 | length 2.3
  Top Layer w2: -22.606,9.779 -22.352,9.525 D4.2
NetD7_2: D7.2 R7.1 | length 6.5
  Top Layer w0.5: D7.2 -35.623,-42.481 -35.623,-36.131 R7.1
NetD8_1: D8.1 R8.1 | length 6.1
  Top Layer w0.5: D8.1 -29.829,-42.18 -29.829,-39.137 -29.267,-38.576 R8.1
NetD12_2: D12.2 R30.1 | length 3.7
  Top Layer w0.24: D12.2 24.765,9.398 R30.1
NetD13_2: D13.2 R31.1 | length 3.7
  Top Layer w0.24: R31.1 31.115,9.087 D13.2
NetJ5_1: J5.1 R23.1 U4.3 | length 19.4
  Top Layer w0.5: U4.3 55.372,-53.975 J5.1
  Bottom Layer w0.5: R23.1@50.522,-53.213 50.824,-53.213 51.713,-54.102 J5.1
NetJ5_2: J5.2 R22.1 U4.2 | length 19
  Top Layer w0.5: U4.2 41.593,-56.578 55.435,-56.578 J5.2
  Bottom Layer w0.5: R22.1 50.824,-57.115 51.297,-56.642 J5.2
NetR20_1: R20.1 U3.1 | length 4.1
  Bottom Layer w0.3: U3.1 -15.636,-50.434 -15.636,-49.983 R20.1
NetR20_2: R20.2 U3.8 | length 4.3
  Bottom Layer w0.3: R20.2 -13.081,-49.681 -10.184,-52.578 U3.8
NetR25_1: R25.1 U4.1 | length 4.5
  Bottom Layer w0.5: R25.1 38.424,-62.079 38.777,-61.726 38.858,-61.726 U4.1
NetR25_2: R25.2 U4.8 | length 4.2
  Bottom Layer w0.5: U4.8 35.969,-61.115 35.969,-61.877 R25.2
NRST: R10.1 SW1.1 U1.7 | length 10.9
  Top Layer w0.24: 13.093,-16.649 U1.7@16.321,-16.649
  Top Layer w0.25: SW1.1 10.668,-14.859 11.303,-14.859 13.093,-16.649
  Bottom Layer w0.3: SW1.1 13.265,-14.224 R10.1
PH0: C7.1 U1.5 X1.2 | length 16.1
  Top Layer w0.24: 14.224,-14.986 14.887,-15.649 U1.5
  Top Layer w0.3: C7.1 11.315,-7.02 11.915,-7.62 X1.2 13.624,-7.62 14.224,-8.22 14.224,-14.986
PH1: R5.2 U1.6 | length 12
  Top Layer w0.24: 13.081,-14.859 14.371,-16.149 U1.6
  Top Layer w0.3: R5.2 9.906,-11.684 13.081,-14.859
Power_Switch: J1.10 J10.1 | length 22.9
  Top Layer w1: J10.1 -38.104,2.29 -35.056,2.29 -28.988,-3.778 -28.988,-5.826 J1.10
ShuntV1: C21.1 R17.1 R19.1 U3.2 | length 17.3
  Top Layer w0.5: C21.1 -25.781,-54.864 R17.1 U3.2
  Bottom Layer w0.5: R19.1 -18.397,-54.772 -18.051,-55.118 U3.2
ShuntV2: J4.1 R17.2 R18.1 U3.3 | length 20.6
  Top Layer w0.5: J4.1 -31.299,-57.22 R17.2 -18.489,-57.22 -18.051,-57.658 U3.3
  Bottom Layer w0.5: R18.1 -21.428,-57.623 -17.815,-57.623 U3.3
SPWM: R16.1 U1.21 | length 41.6
  Top Layer w0.24: 19.812,-28.448 19.812,-25.908 20.221,-25.499 U1.21
  Top Layer w0.35: R16.1 9.398,-43.307 19.812,-32.893 19.812,-28.448
SWCLK: J2.1 U1.49 | length 34.1
  Top Layer w0.24: U1.49@25.721,-11.749 25.721,-10.22 26.416,-9.525 28.194,-9.525
  Top Layer w0.35: 28.194,-9.525 41.756,4.037 52.17,4.037 J2.1
SWDIO: J2.2 U1.46 | length 31.7
  Top Layer w0.24: U1.46@27.621,-14.649 28.912,-14.649 29.249,-14.986
  Top Layer w0.25: 29.249,-14.986 30.099,-14.986 31.496,-13.589 32.131,-13.589
  Top Layer w0.35: 32.131,-13.589 47.371,1.651 J2.2
temp1: C36.2 J6.2 R32.2 U7.3 | length 25.2
  Top Layer w0.3: U7.3 -3.175,10.541 -3.175,23.749 J6.2
  Bottom Layer w0.3: U7.3 -0.011,8.89 1.032,7.847 C36.2
  Bottom Layer w0.5: J6.2 0.381,27.305 0.381,28.448 R32.2
temp2: C37.2 J6.3 R33.2 U7.5 | length 20.9
  Top Layer w0.3: v1(-1.299,22.964) 0.254,21.411
  Top Layer w0.5: U7.5 0.254,15.748 0.254,21.411
  Bottom Layer w0.3: J6.3 -1.299,23.651 v1(-1.299,22.964)
  Bottom Layer w0.5: J6.3 -3.425,26.039 -3.425,28.349 -3.072,28.702 R33.2 ; U7.5 1.429,13.97 C37.2
temp3: C38.2 J6.4 R34.2 U7.10 | length 22.5
  Top Layer w0.3: -11.049,13.97 -11.254,14.175 -11.254,22.147 v1(-9.906,23.495)
  Top Layer w0.5: -11.049,13.97 U7.10 ; J6.4@-6.223,26.035 J6.4
  Bottom Layer w0.3: v1(-9.906,23.495) -9.72,23.681 -8.831,23.681 -6.843,25.669 -6.335,25.669 J6.4
  Bottom Layer w0.5: C38.2 U7.10 ; R34.2 -6.449,28.702 -6.096,28.349 J6.4
temp4: C39.2 J6.5 R35.2 U7.12 | length 24.2
  Top Layer w0.3: U7.12 -7.493,9.861 -7.493,23.223 -8.636,24.366 J6.5
  Bottom Layer w0.5: C39.2 U7.12 ; R35.2 -9.755,28.702 -8.636,27.583 J6.5 J6.5@-8.7,25.971
UART2_RX: J1.6 U1.17 | length 42.5
  Top Layer w0.24: 16.764,-26.289 18.221,-24.832 U1.17
  Top Layer w0.33: J1.6 -15.275,-26.289
  Top Layer w0.35: -15.275,-26.289 16.764,-26.289
UART2_TX: J1.5 U1.16 | length 40.7
  Top Layer w0.24: 11.437,-25.139 14.732,-21.844 14.732,-21.463 15.046,-21.149 U1.16
  Top Layer w0.3: -17.615,-21.209 -13.932,-24.892
  Top Layer w0.35: J1.5 -17.615,-21.209 ; -13.932,-24.892 -13.685,-25.139 11.437,-25.139
VCAP1: C17.2 U1.31 | length 6.8
  Top Layer w0.24: 25.221,-25.205 U1.31 ; 26.813,-26.797 26.815,-26.797 ; C17.2@28.416,-27.686 C17.2
  Top Layer w0.3: 25.221,-25.205 26.813,-26.797 ; 26.815,-26.797 27.704,-27.686 C17.2@28.416,-27.686
VCAP2: C12.2 U1.47 | length 5.3
  Top Layer w0.24: U1.47 27.582,-14.138 29.042,-14.138 30.999,-12.181 30.999,-11.784 C12.2
pads on no net: J1.SH1 J1.SH2 J3.3 J7.2 U1.2 U1.3 U1.4 U1.20 U1.22 U1.23 U1.25 U1.26 U1.28 U1.29 U1.30 U1.33 U1.34 U1.35 U1.36 U1.37 U1.38 U1.39 U1.42 U1.43 U1.44 U1.45 U1.50 U1.51 U1.55 U1.56 U1.58 U1.59 U1.61 U1.62 U6.5 U6.11

## Polygon pours and split planes (outlines as drawn)
GND on Top Layer "GND_L01_P005" (hatched Horizontal grid 0.3 track 0.3, remove dead copper, pour order 5): -40.259,32.944 59.741,32.944 59.741,-67.056 -40.259,-67.056
+3V3 on Top Layer "+3V3_L01_P001" (hatched Horizontal grid 0.3 track 0.3, remove dead copper, pour order 1): 17.31,-12.726 26.708,-12.726 26.708,-22.124 17.31,-22.124
GND on Bottom Layer "GND_L02_P000" (hatched Horizontal grid 0.3 track 0.3, remove dead copper, pour order 0): -40.259,32.944 59.741,32.944 59.741,-67.056 -40.259,-67.056

## Silkscreen, mask and mechanical layers (free items; w line width, h text height)
Top Overlay:
  lines w0.254: -6.096,5.207 0.381,5.207 ccw(c0.381,5.461) 0.635,5.461
Bottom Overlay:
  lines w0.254: -10.259,-67.058 ccw(c-10.259,-67.052) -10.254,-67.052
  text "R32-35" at 3.048,30.607 h1.52
  text "MEng Team 4" at 1.524,-50.8 h1.52
  text "Joshua Needham" at -8.128,-65.278 h1.52
Mechanical 1:
  the board outline again, w0.254